# Altium PCB VIA6.PcbDoc (continued)
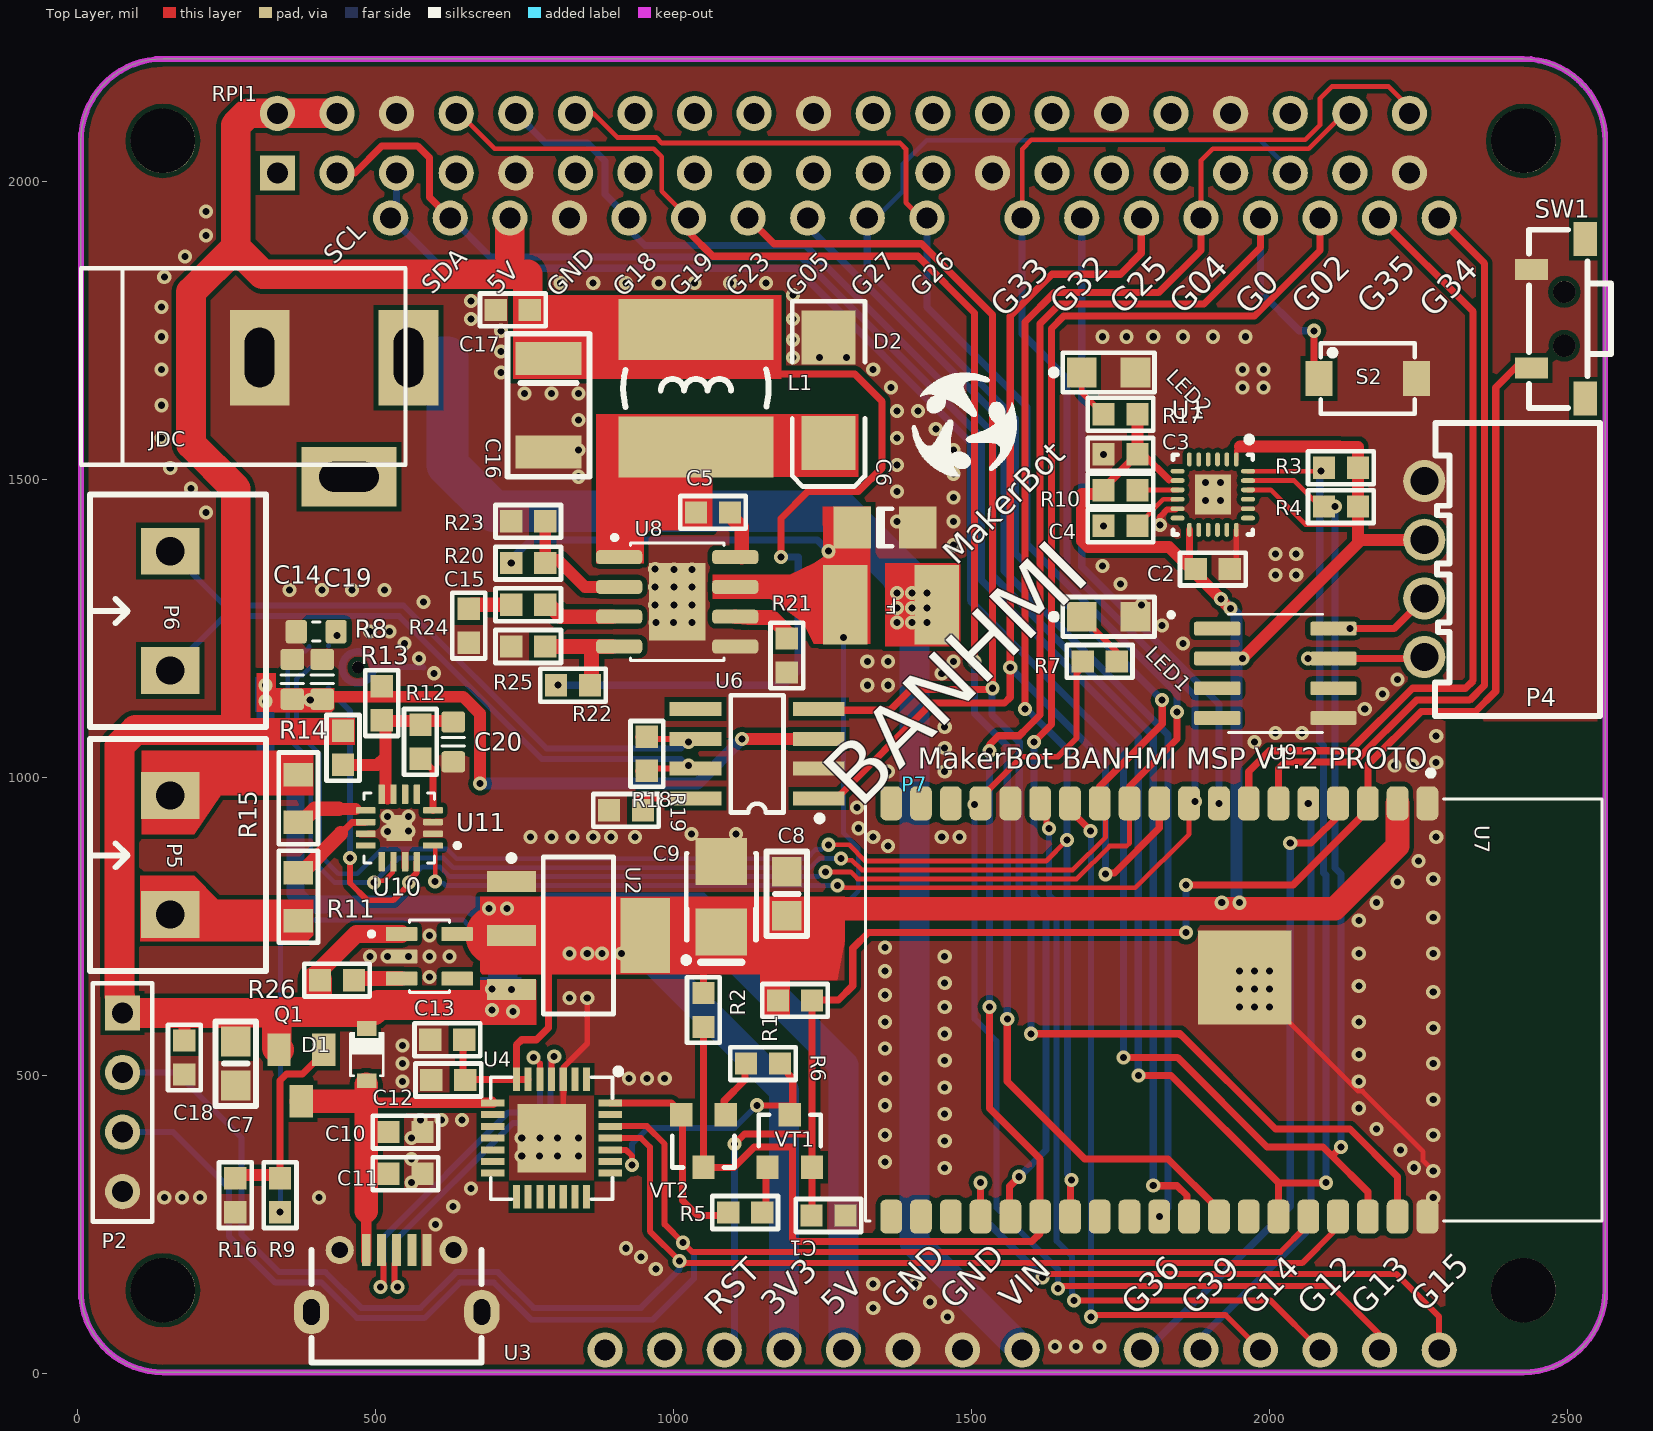
[diagram p0: Top Layer view]
## Part data
C1 C2 C4 C5 C10 C12 C15 C17: library part CAP-SM-0603-X5R-10uF, "CAP SM 0603 X5R 10uF 10%"
C3 C11 C13 C18: library part CAP-SM-0603-X7R-100nF, "CAP SM 0603 X7R 100nF 10%"
C6: "Capacitor"
C7 C8: library part SMT_C_0805, "Surface mount capacitor 0805"
C9: library part SMT_C_Tantalum_B, "Capacitor, SM Tantalum; Body 3.5 x 2.8 mm (LxW typ)"
C14 C19 C20: library part "CAP C_0603", "Capacitor SMD Cer 470nF 10% 16V X7R 0603"
C16: library part "Cap Pol", "Polarized Capacitor (Axial)"
D1: library part SMT_DIODE_SCHOTTKY_SOD_323, "Surface mount schottky diode SOD-323(0805) Package"
D2: library part "D Schottky", "Schottky Diode"
F: "Polymeric PTC Resettable Fuse 13.2V 750mA Ih Surface Mount 1812 _4532 Metric_, Concave"
JDC: library part DCIN, "Jac DC input"
L1: library part Inductor
LED1 LED2: library part LED0805, "LED SMD 0805"
MK2: "60Hz ~ 20kHz Digital, IÂ²S Microphone MEMS _Silicon_ 1.65V ~ 3.63V Omnidirectional _-26 Â±1dB @ 94dB SPL_ Solder Pads"
P2 P4: "Header, 4-Pin"
P5 P6: "Header, 2-Pin, Medium"
Q1: "P-Channel 30V 4A _Ta_ 1.4W _Ta_ Surface Mount SOT-23-3"
R1 R2 R3 R4 R5 R6 R9 R10 R16 R18 R19: library part RES-SM-0603-10K, "RES SM 0603 10K"
R7 R12 R13 R14: library part RES-SM-0603-1K, "RES SM 0603 1K"
R8: library part RES_0603, "Resistor SMD chip 0.0 Ohm 0.1W 0603"
R11 R15: "Resistor SMD 0805"
R17 R20 R21 R22 R23 R24 R25 R26: library part RES-SM-0603-100K, "RES SM 0603 100K"
RPI1: library part "rpi connector", "GPIO Header for Raspberry Pi A+/B+/Pi 2/Pi 3 - 2x20"
S2: library part SMT_SW_PTS_820, "SMT Tactile ?Switch PTS 820 Series"
U2: library part NCP1117, "NCP1117, NCV1117. 1.0 A Low-Dropout Positive  Fixed and Adjustable  Voltage Regulators"
U3: "USB micro female SMT with 4 fixed foot"
U4: "Single-Chip USB to UART Bridge, 1024 Bytes EEPROM, -40 to 85 degC, 28-pin QFN, Tube"
U7: "Bluetooth, WiFi 802.11b/g/n, Bluetooth v4.2 + EDR, Class 1, 2 and 3 Transceiver Module 2.4GHz ~ 2.5GHz Antenna Not Included, I-PEX Surface Mount"
U8: "Buck Switching Regulator IC Positive Adjustable 0.8V 1 Output 3A 8-SOIC _0.154, 3.90mm Width_ Exposed Pad"
U9: "Real Time Clock _RTC_ IC Clock/Calendar IÂ²C, 2-Wire Serial 8-SOIC _0.154, 3.90mm Width_"
U10: "Linear Voltage Regulator IC 1 Output 600mA SOT-25"
U11: "Amplifier IC 1-Channel _Mono_ Class D 16-TQFN _3x3_"
VT1 VT2: library part SMT_TRIODE_NPN, "Surface mount NPN transistor, package SOT-23"

## Free pads (board coordinates)
  round 108.27 hole 108.27: ""(142.8,139.49) ""(142.8,2068.62) ""(2426.26,139.49) ""(2426.26,2068.62)

## Via types
v1: diameter 23.62, hole 11.81, Top Layer to Bottom Layer, tented both sides, 292 vias
v2: diameter 23.62, hole 11.81, Top Layer to Bottom Layer, 25 vias
v3: diameter 23.62/23.62 (per signal layer), hole 11.81, Top Layer to Bottom Layer, 12 vias

## Nets (pads, with @x,y where several pads share a name; then routed paths per layer and width w, separated by ;. In a path a pad name is that pad's centre, name@x,y a point inside that pad or via, vN(x,y) a via of type N, cw(c..) or ccw(c..) an arc to the next point about the centre after c; other vN are vias at no path point)
3.3V: C2.2 C3.2 C8.1 C9.1 C12.2 C13.2 C14.2 C19.2 MK2.5 P4.2 P7.4 R1.2 R2.2 R3.2 R4.2 R10.1 R13.2 R17.1 U1.1 U1.8 U1.13 U1.22 U2.2 U4.6 U4.7 U6.3 U7.2 U9.2 U10.5 | length 6861.1
  Top Layer w8: 1831.38,1498.62 U1.8 ; U1.1 1944.37,1549.37 1950.7,1555.7 ; U1.22 2002.13,1482.87 2060.73,1424.27 2147.81,1424.27
  Top Layer w10: U4.7 U4.7@735.95,503.75
  Top Layer w12: C13.2@648.54,545 646.7,543.16 646.7,493.42 U4.7 U4.6 ; U4.7@735.95,503.75 735.95,550.95 745,560 770,560 790,580 790,680 ; R2.2 1050,680 ; C3.2 1788.69,1542.56 1831.38,1499.87 ; C2.2@1865.63,1360.83 U1.13
  Top Layer w13: R10.1@1721.46,1485.47 C3.2
  Top Layer w20: v1@385,1125 v1(390,1130) 395.7,1135.7 646.61,1135.7 675,1107.31 v1(675,990) ; v1(1115,1065) U6.3 ; R10.1@1714.6,1475.7 1685.76,1475.7 1685.76,1396.82 1695.71,1386.86 1831.69,1386.86 v1(1918.54,1300) ; C3.2 R17.1 ; 1950.7,1555.7 2117.2,1555.7 2117.9,1555 2148.54,1555 R3.2 R4.2 2148.54,1393.54 v1(1955,1200) ; 2154.15,1399.15 P4.2
  Top Layer w25: v1@312.5,1138.72 312.5,1130.61 v1(315,1128.11) v1@315,1138.72 ; v1(315,1155) v1@315,1138.72 ; v1@316.22,1137.5 v1@315,1138.72 ; v1@319.2,1134.52 358.99,1134.52 368.5,1125 v1@385,1125 ; U2.2@952.2,735 U2.2@960,727.2
  Top Layer w40: 1260,780 2110,780 2215.2,885.2 U7.2
  Top Layer w100: U2.2@700.5,735 727.8,735 825,735 ; U2.2@925,735 952.2,735 1190,735 1195,735
  Bottom Layer w8: v1(315,1128.11) 315,1134.92 v1(315,1155)
  Bottom Layer w20: v1(675,990) 1040,990 v1(1115,1065) ; v1(1918.54,1300) v1(1935,1283.54) 1945,1273.54 1945,795 v1(1950,790) v1(1920,790)
  Bottom Layer w30: v1(315,1128.11) 315,1025 365,975 365,804.6 382.57,787.02 657.47,787.02 664.5,780 v1(720,780)
  Bottom Layer w50: v1@820,705 v1(825,705) v1(855,705) v1(880,705) v1(912.83,705) 955,705 1185,475 P7.4
  other v1: 690,780
5V: C7.1 C16.1 C17.1 C18.1 D1.2 L1.2 P2.1 P7.5 P7.30 Q1.2 R14.1 R22.1 R26.2 RPI1.2 RPI1.4 U2.3 U10.1 | length 6388.3
  Top Layer w8: v1(695,610) 710,610 720,620 722.5,622.5 725,620 730,615 v1(730,607.76)
  Top Layer w12: 165,605 178.71,591.29 ; 1170,1677.5 1303.89,1677.5 1350,1631.39 1350,1520 1310,1480 1225,1480 1180,1435 v1(1180,1370)
  Top Layer w20: C18.1 178.71,591.29
  Top Layer w30: R26.2@395,655 395,665 398.23,668.23 R26.2@401.46,671.46 ; R26.2@401.46,660 R26.2@401.46,671.46 ; U10.1 467.4,737.4 R26.2@401.46,671.46
  Top Layer w50: 265,605.14 333.87,605.14 ; 270,605 165,605 P2.1 70.47,609.53 70.47,633.23 70,633.7 70,1053.47 96.53,1080 265,1080 265,1485 190,1560 190,1815 265,1890 ; Q1.2 334.76,546.15 333.87,546.15 333.87,605.14 ; R26.2@401.46,660 401.46,611.46 396.59,606.59 ; RPI1.4 RPI1.2 285,2115 265,2095 265,1890 ; 674.76,618.1 504.3,618.1 495.5,609.3 477.7,609.3 475,606.59 396.59,606.59 ; v1@695,620 720,620 725,620 725.14,620 v1@730,615.14 ; 725,1875 P7.30 ; C16.1@785,1723.74 755,1753.74 ; 875.95,1746.92 875.95,1753.74 ; 875.95,1759.05 875.95,1753.74 ; L1.2@955.48,1739.52 941.25,1753.74 875.95,1753.74 ; 265,1890 310,1845 755,1845 755,1785 755,1753.74 ; 333.87,605.14 335.33,606.59 396.59,606.59 ; 755,1753.74 875.95,1753.74
  Bottom Layer w8: v1(695,610) 710,625 710,627.5 711.17,627.5 730,608.67 v1(730,607.76)
  Bottom Layer w12: v1(805.95,1155.07) 1185,1155.07 1209.08,1179.15 1209.08,1370 v1(1180,1370)
  Bottom Layer w50: 713,653 713,683 795,765 1037.07,765 1285,517.07 P7.5
  other v1: 727.8,644.45 695,645
485_N: P5.2 R15.2
485_P: P5.1 R11.2
BCLK: MK2.4 P7.23 RPI1.12 U7.11 U11.16 | length 3737.7
  Top Layer w8: RPI1.12 865,2115 905.53,2074.47 970.53,2074.47 980,2065 1380,2065 1390,2055 1390,1965 P7.23@1420,1935 ; v1(1254.57,841.62) 1297.05,841.62 1308.67,830 1676.79,830 1731.79,885 1760,885 1765.2,890.2 U7.11
  Top Layer w10: v2(456.81,865.1) 456.81,823.19 485.86,794.14 529.14,794.14 555.91,820.91 v1(555.91,823.81) 555.91,827.5 568.72,840.31 568.72,858.68 U11.16
  Top Layer w12: U7.11 1765.2,985.2 1845,1065 v1(1845,1110)
  Bottom Layer w8: v1(555.91,823.81) 555.91,828.04 577.88,850 607.62,850 623.81,833.81 1242.53,833.81 1250.34,841.62 v1(1254.57,841.62)
  Bottom Layer w10: MK2.4 420.71,1148.03 456.81,1111.93 v2(456.81,865.1)
  Bottom Layer w12: P7.23 1425,1790 1593,1622 1593,1392.09 1845,1140.09 v1(1845,1110)
CAN_N: P6.2 R18.1 U6.6 | length 1109.8
  Top Layer w10: R18.1@940,1068.54 963.7,1068.54 967.24,1065 U6.6
  Bottom Layer w10: P6.2 246,1289 546.46,1289 786.46,1049 1012.33,1049 1023.33,1060 v1(1025,1060)
CAN_P: P6.1 R18.2 U6.7 | length 1109.8
  Top Layer w10: R18.2@940,1011.46 963.7,1011.46 967.24,1015 U6.7
  Bottom Layer w10: P6.1 246,1271 539,1271 779,1031 1012.33,1031 1023.33,1020 v1(1025,1020)
CAN_RX: P7.26 U6.4 U7.37 | length 2800.3
  Top Layer w12: P7.26 1168.21,1896 1415.87,1896 1535,1776.87 v1(1535,1150) 1533,1148 1398,1148 1363,1113 1245.35,1113 U6.4 ; v1(1600,570) 1850,570 ; 1850,568 1852,568 2010,410 2135.2,410 2215.2,330 U7.37
  Bottom Layer w12: v1(1535,1150) 1534.09,1149.09 1534.09,1105.91 1555.19,1084.81 1555.19,1084.72 1574.72,1065.19 1574.81,1065.19 1580.19,1059.81 1580.19,781 1600,761.19 v1(1600,570)
CAN_TX: P7.20 U6.1 U7.10 | length 1932.1
  Top Layer w12: U6.1 1273.13,965 1433.32,1125.19 1555.19,1125.19 1565,1135 v1(1565,1185) 1565,1775 1635,1845 1750,1845 1785,1880 P7.20 ; v1(1725,837.81) 1727.22,840.03 1740.03,840.03 1815.2,915.2 U7.10
  Bottom Layer w12: v1(1565,1185) 1725,1025 v1(1725,837.81)
D_N: U3.2 U4.5 | length 630.4
  Top Layer w10: v1(508.25,145) 513.25,150 513.25,184.25 509.5,188 U3.2@509.5,220 ; v1(765,530) 774.84,520.16 775.32,520.16 U4.5
  Bottom Layer w10: v1(508.25,145) 513.25,150 513.25,228.71 722.54,438 765,438 775.32,448.32 775.32,520.16
D_P: U3.3 U4.4 | length 637.3
  Top Layer w10: U3.3@535,220 535,188 531.25,184.25 531.25,150 v1(536.25,145) ; U4.4 v1@795,527
  Bottom Layer w10: v1(536.25,145) 531.25,150 531.25,221.25 730,420 772.46,420 793.32,440.86 793.32,525.77 v1(799.55,532)
DTR: R5.1 U4.28 VT2.2 | length 356.3
  Top Layer w12: U4.28 995.95,454.05 1015,435 1015,290 1040,265 R5.1@1086.46,265
GND: C1.1 C2.1 C3.1 C4.2 C6.2 C7.2 C8.2 C9.2 C10.1 C11.1 C12.1 C13.1 C14.1 C16.2 C17.2 C18.2 C19.1 C20.2 D2.1 JDC.2 LED1.2 LED2.2 MK2.3 P2.4 P4.1 P7.6 P7.7 P7.29 R8.2 R16.1 R19.1 R21.1 R23.2 R24.1 R25.2 RPI1.6 RPI1.9 RPI1.20 RPI1.25 RPI1.30 RPI1.34 RPI1.39 S2.2 SW1.2 U1.11 U1.18 U1.20 U1.25 U2.1 U3.5 U3.6 U3.7 U3.8 U3.9 U4.3 U4.29 U6.2 U7.1 U7.15 U7.38 U7.39 U8.5 U8.9 U9.5 U10.2 U11.2 U11.3 U11.11 U11.15 U11.17 | length 1039.4
  Top Layer w8: v1(520,935) U11.17@537.5,917.5 ; U11.17@522.62,909.24 527.94,909.24 534.19,915.49 U11.17 ; v1(555,935) 539.51,919.51 U11.17 ; U11.17@560,910 554.51,915.49 U11.17 ; v2(840,395) v2(805,394.99) ; U7.39 1976.42,646.42 2003.92,618.92 2149.04,473.79 2156.21,473.79 2257.83,372.17 2257.83,357.17 v1(2275,340) ; v2(805,394.99) U4.29 v2(805,394.99)
  Top Layer w10: U4.29@814.69,414.68 814.69,473.37 815,473.05 815,513.78 855,553.78 v1(855,630) ; v1(1816.38,1424.06) 1816.38,1438.02 1828.54,1450.18 U1.11@1842.32,1450.18 ; C2.1 1944.37,1360.83 U1.18
  Bottom Layer w10: MK2.3 579.39,1185.61 580,1185
  other v1: 1640,45 1675,45 1715,45 1460,95 1335,110 1430,120 1335,150 1405,150 970,175 945,195 920,210 600,250 630,280 145,295 175,295 205,295 405,295 2275,295 660,310 560,320 1455,345 2242.9,345.13 1355,355 560,360 2220,375 1455,390 560,395 1355,400 2275,400 2180,410 575,425 610,425 645,425 1455,435 2150,445 1355,450 2275,460 1455,480 545,490 2150,490 925,495 955,495 985,495 1355,495 545,520 2275,520 1455,525 2150,535 1355,545 545,550 1455,570 2275,580 1355,590 2150,590 1455,615 825,630 1355,635 2275,640 2150,650 1455,655 590,665 1355,675 490,700 520,700 555,700 590,700 623.46,700 1455,700 2150,705 2275,705 1355,715 590,735 2150,760 2275,765 2180,790 2215,825 2275,830 2250,860 1360,885 760,900 795,900 830,900 865,900 895,900 935,900 1335,900 1450,900 1480,900 2280,900 1030,905 1105,905 520,909.24 555,910 1310,915 1307.81,949.97 1360,1010 1455,1010 2210,1020 2240,1020 2280,1025 1455,1050 1975,1060 2280,1070 2010,1075 2055,1075 1455,1085 2160,1115 2190,1140 1325,1155 1360,1155 2215,1165 597.9,1175.13 1450,1175 1325,1195 1360,1195 1470,1195 572.9,1200.13 547.9,1225.13 1855,1225 490,1245 522.9,1245.13 1820,1255 1785,1290 580,1295 355,1315 410,1315 460,1315 515,1315 1750,1325 2010,1340 2045,1340 1720,1355 2010,1375 2045,1375 1470,1390 1721.46,1422.56 1375,1430 1470,1430 215,1445 1470,1470 1375,1480 190,1485 840,1505 1470,1510 155,1520 1375,1525 1721.46,1542.56 840,1550 1470,1550 140,1570 1375,1570 1440,1585 840,1600 1375,1615 1410,1615 140,1625 750,1645 795,1645 840,1645 1365,1655 1955,1655 1990,1655 710,1680 140,1685 1335,1685 1955,1685 1990,1685 1200,1705 1245,1705 1290,1705 710,1715 1200,1735 140,1740 1720,1740 1760,1740 1805,1740 1855,1740 1905,1740 1960,1740 710,1750 660,1770 1200,1770 140,1790 660,1800 1200,1810 810,1830 865,1830 920,1830 975,1830 1035,1830 1095,1830 1155,1830 145,1840 180,1875 215,1910 215,1950
  other v2: 745,365 775,365 805,365 840,365 745,395 775.32,395 1950,615 1975,615 2000,615 1950,645 1975,645 2000,645 1950,675 1975,675 2000,675 1892.9,1465.13 1917.9,1465.13 1892.9,1495.13 1917.9,1495.13
  other v3: 970,1260 1000,1260 1030.95,1260 969.05,1289.75 1000.64,1289.75 1030.95,1290.07 969.06,1320.07 1000.95,1320.07 1030.95,1320.07 1000.64,1349.2 1030.95,1349.2 969.06,1350.27
I2S_DIN: MK2.6 P7.19 RPI1.38 U7.26 | length 3973.4
  Top Layer w8: v2(1260.13,887.24) 1294.65,887.24 1321.89,860 1625,860 v2(1660,895) ; P7.19 1885,2035.61 1905,2055.61 2066.21,2055.61 2125,2114.39 RPI1.38@2125,2115
  Top Layer w12: v1(1589.81,1115) 1589.81,1764.81 1639,1814 1814,1814 1885,1885 P7.19 ; U7.26 1666.4,264.35 1666.4,323.25 v1(1667.6,324.45)
  Bottom Layer w8: MK2.6 388.35,1183.46 377.26,1172.38 373.51,1172.38 367.07,1165.93 367.07,1077.93 405,1040 405,992.98 406,991.98 406,870.21 437.4,838.81 468.81,838.81 510,880 620.05,880 636.24,863.81 1223.29,863.81 1238.91,879.43 1248.09,879.43 1255.9,887.24 v2(1260.13,887.24)
  Bottom Layer w12: v1(1589.81,1115) 1592.46,1115 1660,1047.46 v2(1660,895) 1660,799.04 1660.81,798.23 1660.81,334.39 1667.6,327.6 v1(1667.6,324.45)
I2S_DOUT: P7.22 RPI1.40 U7.9 U11.1 | length 3383.6
  Top Layer w8: U11.1 598.43,885.96 599.74,884.65 v2(599.74,825.62) ; v1@1275.93,815 1276.75,815.82 1286.68,815.82 1287.5,815 1775,815 1865.2,905.2 1865.2,951.65 U7.9 ; P7.22 1585,2055 1600.61,2070.61 2060,2070.61 2085,2095.61 2085,2140 2105,2160 2200,2160 RPI1.40@2245,2115
  Bottom Layer w8: v2(599.74,825.62) 602.73,822.63 613.78,822.63 617.6,818.81 v1(1275,818.81)
  Bottom Layer w12: P7.22 1585,1745 1660,1670 1660,1351.96 1875,1136.96 v1(1875,960)
IO0: P7.18 R2.1 S2.1 U7.25 VT2.3 | length 3388.2
  Top Layer w12: R2.1@1050,591.46 VT2.3 1100.83,345.71 1135.12,380 1199.76,380 1199.76,225.24 1203.39,221.61 1601.61,221.61 1615.2,235.2 U7.25@1615.2,253.28 ; v1(1530,615) 1530,445 1615.2,359.8 U7.25 ; v1(1530,1045) 1530,1055 1545.28,1070.28 1580.19,1070.28 1594.72,1084.81 1615,1105.1 1615,1761.87 1648.13,1795 1890,1795 1985,1890 P7.18 ; S2.1@2075,1670.01 v1(2075,1750)
  Bottom Layer w12: v1(1530,615) v1(1530,1045) ; P7.18 1985,1815 2050,1750 v1(2075,1750)
IO2: P7.17 U7.24 | length 2100.5
  Top Layer w12: U7.24 1561,267.35 1561,274 1564,274 1564,314 v1(1580,330) ; v1(1605,1060) 1634,1089 1634,1754 1654.81,1774.81 1974.81,1774.81 2085,1885 P7.17
  Bottom Layer w12: v1(1580,330) 1624.81,374.81 1624.81,783.32 1605,803.13 v1(1605,1060)
IO5: P7.25 U7.29 | length 1933
  Bottom Layer w12: P7.25@1226.04,1940 1226.04,1923.96 1555,1595 1555,1346.64 1829.81,1071.83 1829.81,277.76 v1(1815.2,263.15)
IO12: P7.12 U7.14 | length 1305.6
  Top Layer w10: U7.14 1625.94,946.11 1625.94,921.77 1629.81,917.9 v1(1629.81,914.22) ; v1(1672.08,122.08) 2002.13,122.08 P7.12
  Bottom Layer w10: v1(1629.81,914.22) 1629.81,803.77 1642.81,790.77 1642.81,222.19 1668.81,196.19 1668.81,134.75 1669.48,134.09 1669.48,124.69 v1(1672.08,122.08)
IO13: P7.13 R7.1 U7.16 | length 1815.9
  Top Layer w10: U7.16 1515.2,966.02 1584.17,1035 1645,1035 1676.46,1066.46 1676.46,1175 R7.1@1686.46,1185 ; v1(1645,142.61) 1649.01,146.62 2103.38,146.62 2185,65 P7.13
  Bottom Layer w10: v1(1505,955) 1505,595 1542,558 1542,278 1645,175 v1(1645,142.61) ; P7.13@2178.23,45.98 P7.13
IO14: P7.11 U7.13 | length 1182.1
  Top Layer w8: U7.13@1665.2,945.67 U7.13 ; v1(1699.7,910.23) v1@1699.7,911.17
  Top Layer w10: v1@1703.81,98 1926.21,98 P7.11
  Top Layer w12: U7.13@1665.2,945.67 v1@1699.7,911.17
  Bottom Layer w10: v1(1699.7,910.23) 1700.81,909.11 v1(1700.81,95)
IO15: P7.14 U7.23 | length 1008.9
  Top Layer w10: v1(1619.34,161.2) 1624.57,166.43 2213.57,166.43 2285,95 P7.14
  Top Layer w12: U7.23@1510,268.35 1515,273.35 v1(1515,320)
  Bottom Layer w12: v1(1515,320) 1515,265.53 v1(1619.34,161.2)
IO18: P7.28 RPI1.10 U7.30 | length 2542.2
  Top Layer w12: v1(1805,315) 1845,315 1861.56,298.43 1861.56,266.78 U7.30
  Bottom Layer w12: RPI1.10 785,2065 855,2065 885,2035 885,1979.21 P7.28 925,1920 952,1893 1221.39,1893 1536,1578.39 1536,1338.77 1805,1069.77 v1(1805,315)
IO19: P7.27 RPI1.8 U7.31 | length 2823.7
  Top Layer w8: RPI1.8@650,2105 699.47,2055.53 966.47,2055.53 980,2042 980,1984.21 P7.27
  Top Layer w12: RPI1.8 RPI1.8@647.5,2102.5 ; P7.27 1025,1915.62 1065.62,1875 1410,1875 1505,1780 v1(1505,1195) ; v1(1560,595) 1560,490 1690,360 1830,360 1915.2,274.8 U7.31
  Bottom Layer w12: v1(1505,1195) 1505,1108.04 1560,1053.04 v1(1560,595)
IO21: P4.4 P7.31 R3.1 RPI1.3 U1.24 U7.33 U9.7 | length 4447.5
  Top Layer w8: U1.24 R3.1@2085.83,1514.37 ; P4.4@2257.65,1200 P4.4
  Top Layer w12: RPI1.3 465,2015 510,2060 570.33,2060 590,2040.33 590,1974.21 P7.31 ; v1(1780,500) 1835,500 2015.2,319.8 ; U7.33@2015.2,277.76 2015.2,319.8 ; v1@2095,319.8 2015.2,319.8 ; U9.7 P4.4@2257.65,1200
  Bottom Layer w12: P7.31@626.04,1940 692.04,1874 1213.52,1874 1517,1570.52 1517,1330.9 1779.81,1068.09 1779.81,500.19 v1(1780,500) ; v1(2065,1200) 2084.37,1200 ; v1(2086.46,1515) 2084.37,1512.91 2084.37,1200 ; v1(2095,320) 2095,836.26 2091,840.26 2091,1053.91 2084.37,1060.54 2084.37,1200
IO22: P4.3 P7.32 R4.1 RPI1.5 U1.23 U7.36 U9.8 | length 4355.8
  Top Layer w8: U1.23 2041.62,1498.62 2085.24,1455 R4.1 v1(2110,1455)
  Top Layer w12: v1(1755,530) 1846,530 1996,380 2090,380 2105,365 ; U9.8 v1(2135,1250) 2209.25,1250 P4.3 ; v1(2120,380) 2105,365 ; U7.36 2165.2,304.8 2105,365
  Bottom Layer w12: P7.32 535,1949.21 RPI1.5 ; P7.32@526.04,1940 611.04,1855 1205.65,1855 1498,1562.65 1498,1297 1630.19,1164.81 1630.28,1164.81 1755.47,1039.62 1755,1039.16 v1(1755,530) ; v1(2110,1455) 2110,1250 ; v1(2120,380) 2120,838.13 2110,848.13 2110,1250 ; v1(2135,1250) 2110,1250
IO27: MK2.1 P7.24 RPI1.35 U7.12 U11.14 | length 3976.8
  Top Layer w8: v1(496.83,823.81) 499.82,826.8 514.42,826.8 528.35,840.73 528.35,857.68 U11.14 ; v1(1280.56,864.43) 1283.55,861.44 1299.23,861.44 1315.68,845 1670,845 1725,900 1725,947.05 U7.12
  Top Layer w12: U7.12 1715.2,985.2 1820,1090 v1(1820,1130)
  Bottom Layer w8: MK2.1 388.35,1218.9 382.07,1212.62 376.79,1212.62 352.07,1187.9 352.07,1066.72 390,1028.79 390,986.77 391,985.77 391,864 431.19,823.81 v1(496.83,823.81) 518.02,845 518.24,845 538.24,865 613.84,865 630.03,848.81 1229.5,848.81 1245.12,864.43 v1(1280.56,864.43) ; P7.24@1339.21,1939.21 1385,1985 1385,2030 1425,2070 1985,2070 RPI1.35@2045,2010
  Bottom Layer w12: P7.24@1339.21,1939.21 P7.24 1325,1851.87 1574,1602.87 1574,1376 v1(1820,1130)
IO32: P7.21 U7.8 | length 1091
  Bottom Layer w12: P7.21@1679,1950 1685,1944 1685,1353.83 1915.2,1123.63 v1(1915.2,956.85)
IO34: P7.15 U7.6 | length 1277.8
  Top Layer w12: U7.6 2015.2,1015.2 2026,1026 2142.87,1026 2246.87,1130 2336.14,1130 2361,1154.86 2361,1863.21 P7.15
IO35: P7.16 U7.7 | length 1334.8
  Top Layer w12: U7.7 1965.2,1010.2 2000,1045 2135,1045 2240,1150 2329.27,1150 2342,1162.73 2342,1782.21 P7.16
IO36: P7.9 U7.4 | length 1077.5
  Top Layer w12: v1(2035,890) 2070,890 2120,940 U7.4@2120,952.05
  Bottom Layer w12: P7.9 1795,49.21 1804.21,49.21 2035,280 v1(2035,890)
IO39: P7.10 U7.5 | length 996.3
  Bottom Layer w12: P7.10 1885,60 2070,245 2070,952.05 v1(2065.2,956.85)
LBK: U6.5
MPU_INT: U1.12
NetC4_1: C4.1 U1.10 | length 86.4
  Top Layer w8: C4.1 1800.38,1444.39 1800.38,1445.37 1822.13,1467.13 U1.10
NetC5_1: C5.1 D2.2 L1.1 U8.1 | length 115
  Top Layer w25: C5.1@1037.37,1440.11 L1.1
NetC5_2: C5.2 U8.8 | length 78.2
  Top Layer w25: C5.2@1094.5,1440.07 1114.22,1420.34 U8.8@1114.22,1370.07
NetC15_1: C15.1 R24.2 | length 65
  Top Layer w25: R24.2@662.41,1290.07 C15.1
NetC15_2: C15.2 U8.3 | length 122.1
  Top Layer w25: C15.2@785.95,1295.07 810.95,1270.07 U8.3@897.69,1270.07
NetLED1_1: LED1.1 R7.2 | length 109.2
  Top Layer w10: LED1.1 1743.54,1211.46 R7.2@1743.54,1185
NetLED2_1: LED2.1 R17.2 | length 85.1
  Top Layer w10: LED2.1 1685,1646.46 R17.2
NetMK2_2: MK2.2 R8.1 | length 8.3
  Top Layer w8: R8.1 435,1243.46 v1(435,1238.85)
  Bottom Layer w8: MK2.2 MK2.2@420.71,1221.97
NetQ1_1: Q1.1 R9.1 R16.2 | length 344.5
  Top Layer w12: R9.1 339.27,332.63 339.27,491.6 349.93,502.25 377.25,502.25 412.4,537.4 Q1.1@412.4,548.31
  Top Layer w20: R16.2@261.75,332.63 R9.1@339.27,332.63
NetR5_2: R5.2 VT1.1 | length 88.6
  Top Layer w12: R5.2@1143.54,265 1155,276.46 1155,338.11 VT1.1@1162.6,345.71
NetR6_2: R6.2 VT2.1 | length 91
  Top Layer w12: VT2.1 1087.4,449.29 1085,446.89 1085,457.56 1120,492.56 R6.2@1120,505
NetR10_2: R10.2 U1.9 | length 67.5
  Top Layer w8: R10.2 1778.86,1482.87 1823.08,1482.87 U1.9
NetR11_1: R11.1 U11.10 | length 147.4
  Top Layer w12: 441.26,905.95 459.96,924.65 U11.10@482.33,924.65
  Top Layer w25: R11.1 375.31,840 441.26,905.95
NetR12_2: R12.2 U11.4 | length 99.3
  Top Layer w12: R12.2@573.54,1035 596.01,1012.54 U11.4
NetR15_1: R15.1 U11.9 | length 105.6
  Top Layer w20: 437.65,947.65 466.22,947.65
  Top Layer w25: R15.1 377.19,932.19 382.5,932.19 397.96,947.65 437.65,947.65
NetR20_2: R20.2 R23.1 U8.2 | length 201.8
  Top Layer w20: R20.2 R20.2@784.5,1365.07 ; R23.1 R20.2@784.5,1365.07 ; U8.2@897.69,1320.07 850.95,1320.07 805.95,1365.07 R20.2@784.5,1365.07
NetR21_2: R21.2 U8.6 | length 104.1
  Top Layer w25: U8.6 1125.95,1268.61 1164.93,1268.61 R21.2@1195,1238.54
NetR22_2: R22.2 R25.1 U8.4 | length 171.7
  Top Layer w25: R25.1@789.5,1220.07 U8.4@897.69,1220.07 ; R22.2@862.41,1155.07 862.41,1218.61
NetR26_1: R26.1 U10.3 | length 80.6
  Top Layer w25: R26.1@458.54,660 R26.1@460.94,657.6 ; R26.1@466.14,662.6 U10.3
OTG_ID: U3.4
RESET: C1.2 P7.3 R1.1 SW1.1 U7.3 VT1.2 | length 2889.7
  Top Layer w12: v1(1102.17,385) 1118.77,401.61 1228.12,401.61 1232.31,405.79 ; R1.1 1232.31,405.79 ; C1.2@1232.4,265.95 VT1.2 1232.31,345.8 1232.31,405.79 ; R1.1@1233.88,626.46 1276.46,626.46 1300.56,650.56 1300.56,713.67 1326.89,740 v1(1860,740) ; v1(1860,820) 2040,820 2165.2,945.2 U7.3 2165.2,1021.46 2254.74,1111 2346,1111 2380,1145 2380,1655 SW1.1@2420,1695
  Bottom Layer w12: P7.3@1102.17,56.12 v1(1102.17,385) ; v1(1860,740) v1(1860,820) ; v1@1860.73,735.35 v1@1865,739.63
RS: R19.2 U6.8 | length 98.1
  Top Layer w10: 938.54,965 U6.8
RTS: R6.1 U4.24 VT1.3 | length 488.1
  Top Layer w10: U4.24 919.69,375.31 930,365 v1(930,350) ; v1(1140,450) VT1.3@1200,450
  Top Layer w12: R6.1@1170,520 1190,520 1182.5,512.5 1200,495 VT1.3@1200,450
  Bottom Layer w10: v1(930,350) 930,384.99 956.89,411.88 1101.88,411.88 v1(1140,450)
RXD0: P2.3 U4.26 U7.34 | length 2632.9
  Top Layer w10: U4.26@893.75,415 955,415 985,385 985,250 v1(1015.72,219.28) 1031.39,203.61 2018.61,203.61 U7.34@2060.2,245.2
  Bottom Layer w10: P2.3 160,405 253.42,311.58 253.42,230.32 331.34,152.4 409.2,152.4 468.6,93 582.04,93 641.44,152.4 698.56,152.4 760.96,90 965,90 1033.81,158.81 1033.81,201.19 v1(1015.72,219.28)
TXD0: P2.2 U4.25 U7.35 | length 2721.1
  Top Layer w10: U4.25 945.01,394.99 960,380 960,238.66 v1(1010,188.66) 1010,187.38 1015,182.38 1017.63,185.01 1629.2,185.01 2055,185 2110.2,240.2 U7.35@2110.2,265
  Bottom Layer w10: P2.2 165,505 275,395 275,232.79 337.79,170 415.64,170 475.64,110 575,110 635,170 705,170 765,110 945,110 1010,175 v1(1010,188.66)
V_SPK: C20.1 R12.1 R13.1 R14.2 U11.7 U11.8 | length 331.8
  Top Layer w20: R14.2 502.91,1021.46 516.46,1035 ; R13.1 R13.1@511.5,1094.96 ; 520,965 516.46,968.54 516.46,1035 ; C20.1 628.5,1094.96 R13.1@511.5,1094.96 ; R13.1@511.5,1094.96 516.46,1090 516.46,1035
VBUS: C10.2 C11.2 D1.1 Q1.3 U3.1 U4.8 | length 576
  Top Layer w18: U3.1@484,190 484,272.44 ; 504.27,454.27 U4.8@696.58,454.27 ; U4.8@693.1,454.46 U4.8@694.74,456.1
  Top Layer w40: Q1.3 461.31,456.69 ; 484,272.44 484,456.69 D1.1@484,485.1
VIN: C6.1 F.2 R9.2 R20.1 U8.7 | length 2475.8
  Bottom Layer w8: v1@340,270 340,735 366.02,761.02 646.71,761.02 655.56,752.17 731.26,752.17 781.9,802.81 1050.17,802.81 1057.98,795 1295.57,795 1309.93,809.36 1309.93,882.22 1285,907.14 v1(1285,1235)
  Bottom Layer w12: v1(727.41,1360.07) 727.41,1366.41 760,1399 1241,1399 v1(1260,1380)
  other v1: 339.27,270.54
VIN_N: F.1 JDC.1 P7.8 | length 2454.7
  Bottom Layer w25: 1365,1325 1384.5,1344.5 ; v1(1400,1310) v1@1400,1320 ; 1402.47,1322.47 1409.5,1329.5
  Bottom Layer w50: v1@1404.5,1260 1404.5,219.71 P7.8
  Bottom Layer w70: JDC.1 620.37,1705 620.37,1524.63 698,1447 1277.93,1447 1402.47,1322.47
  other v1: 1375,1260 1400,1260 1425,1260 1375,1285 1400,1285 1425,1285 1375,1310 1425,1310
pads on no net: C14.0 C19.0 C20.0 JDC.3 MK2. P7.1 P7.2 R8.0 RPI1.1 RPI1.7 RPI1.11 RPI1.13 RPI1.14 RPI1.15 RPI1.16 RPI1.17 RPI1.18 RPI1.19 RPI1.21 RPI1.22 RPI1.23 RPI1.24 RPI1.26 RPI1.27 RPI1.28 RPI1.29 RPI1.31 RPI1.32 RPI1.33 RPI1.36 RPI1.37 S2.MH1 S2.MH2 SW1. SW1.3 SW1.4 U1.2 U1.3 U1.4 U1.5 U1.6 U1.7 U1.14 U1.15 U1.16 U1.17 U1.19 U1.21 U4.1 U4.2 U4.9 U4.10 U4.11 U4.12 U4.13 U4.14 U4.15 U4.16 U4.17 U4.18 U4.19 U4.20 U4.21 U4.22 U4.23 U4.27 U7.17 U7.18 U7.19 U7.20 U7.21 U7.22 U7.27 U7.28 U7.32 U9.1 U9.3 U9.4 U9.6 U10.4 U11.5 U11.6 U11.12 U11.13

## Polygon pours and split planes (outlines as drawn)
3.3V on Top Layer "Bottom Layer-No Net" (solid, remove dead copper, pour order 2): 1219,795 1287.56,795 1287.56,726.44 1287.56,710.12 1287.56,660 1215,660 1200,660 1195,660 1195,597.56 1150,597.44 1145,597.44 1145,615 1145,670 675,670 675,795
GND on Top Layer "Bottom Layer-No Net" (solid, remove dead copper, pour order 18): 10,2195 2575,2195 2575,-15 10,-15
GND on Bottom Layer "Bottom Layer-No Net" (solid, remove dead copper, pour order 0): -8.77,2201.05 2556.23,2201.05 2556.23,-8.95 -8.77,-8.95

## Keep-outs
Keep-Out Layer:
  the board outline again, w10

## Other copper
Top Layer:
  rectangle net 5V: 675,585 770,660
  region net VIN_N: 1481.83,1220 1481.83,1360 1355,1360 1355,1220
  rectangle net 5V: 730,1669.04 1180.95,1810
  rectangle net 5V: 220,1055 465,1100
  region net 3.3V: 332.44,1110 332.44,1175.9 300,1175.9 300,1110
  region net 3.3V: 1920.6,1310.4 1945.54,1283.73 1933.43,1273.43 1931.26,1273.43 1905,1300
  pour cut-out: 2565,0 2300,0 2295,5 2295,1095 2305,1095 2320,1095 2565,1095
  pour cut-out: 858.9,1656.91 1189.7,1656.91 1189.7,1615.07 858.9,1615.07 858.9,1635
  region net NetC5_1: 870,1610 1310,1610 1310,1505 1065.01,1505 1065.01,1415 960,1415 950,1405 950,1360 890,1360 870,1360 870,1370 870,1480 870,1495
  region net 3.3V: 675,800 1287.56,800 1287.56,726.44 1275,660 1195,660 1195,597.56 1151.05,597.56 1145,603.61 1145,670 678.73,670 675,673.73
  region net VIN: 1330,1225 1330,1455 1262,1455 1250.43,1455 1250.43,1440 1251.65,1371.1 1235,1360 1195,1340.87 1065.63,1340.87 1065.63,1300 1162.34,1300 1217.56,1260.12 1235,1225
  pour cut-out: 1338.16,1368.3 1333.63,1214.23 1349.23,1214.23 1346.84,1363.38 1351.76,1368.3
  region net 485_N: 106.79,1045 240,1045 395,1045 395,970 240,970 195,905 106.79,905
  region net 485_P: 105,725 385,725 395,735 395,795 235,795 195,835 105,835
  region net 3.3V: 330,1146.81 333.19,1150 430,1150 430,1115 425,1110 330,1110
Bottom Layer:
  rectangle net 5V: 675,590 745,665
  region net VIN_N: 1441.77,1245 1441.77,1329.93 1360,1329.93 1360,1245
  region net 3.3V: 329.28,1110 329.28,1169.28 297.56,1169.28 297.56,1110
  pour cut-out: 900,1803.23 900,1500 1175,1500 1175,1803.23
  region net 3.3V: 759.67,799.67 725,765 665,765 665,799.67
  pour cut-out: 2565,0 2300,0 2295,5 2295,1095 2305,1095 2320,1095 2565,1095

## Silkscreen, mask and mechanical layers (free items; w line width, h text height)
Top Overlay:
  drawing of 457 lines, arcs and shapes, not listed
  text "SCL" at 430,1860 h30 r45
  text "SDA" at 595,1810 h30 r45
  text "5V" at 705,1810 h30 r45
  text "GND" at 805,1805 h30 r45
  text "G18" at 915,1805 h30 r45
  text "G19" at 1010,1805 h30 r45
  text "G23" at 1105,1805 h30 r45
  text "G05" at 1205,1805 h30 r45
  text "G27" at 1315,1805 h30 r45
  text "G26" at 1415,1805 h30 r45
  text "G32" at 1654.81,1774.81 h40 r45
  text "G25" at 1755,1774.81 h40 r45
  text "G04" at 1855,1775 h40 r45
  text "G0" at 1965,1774.81 h40 r45
  text "G02" at 2060,1775 h40 r45
  text "G35" at 2170,1775 h40 r45
  text "G33" at 1555,1770 h40 r45
  text "G34" at 2275,1770 h40 r45
  text "MakerBot" at 1475,1355 h40 r45
  text "MakerBot BANHMI MSP V1.2 PROTO" at 1410,1015 h35
  text "BANHMI" at 1312.05,945 h100 r45
  text "GND" at 1370,105 h40 r45
  text "GND" at 1470,105 h40 r45
  text "VIN" at 1570,105 h40 r45
  text "G15" at 2260,100 h40 r45
  text "RST" at 1075,95 h40 r45
  text "3V3" at 1170,95 h40 r45
  text "5V" at 1270,95 h40 r45
  text "G36" at 1775,95 h40 r45
  text "G39" at 1875,95 h40 r45
  text "G14" at 1975,95 h40 r45
  text "G12" at 2070,95 h40 r45
  text "G13" at 2160,95 h40 r45
Bottom Overlay:
  drawing of 457 lines, arcs and shapes, not listed

## Text inside footprints (layer, text, board x,y; h text height)
U1: Mechanical 13 "Z" at 1875.47,1501.57 h15.75 r270; Mechanical 13 "x" at 1899.09,1448.43 h15.75 r270; Mechanical 13 "Y" at 1932.56,1479.92 h15.75 r270